# Altium PCB UAV_Controller.PcbDoc
Units mil, origin at the board's own origin, x right, y up, seen from the top; angles counter-clockwise.
Board outline 2051.03 x 2705.03 mil, 2 copper layers (Top Layer, Bottom Layer); 86 components, 60 nets, 333 pads, 102 vias.
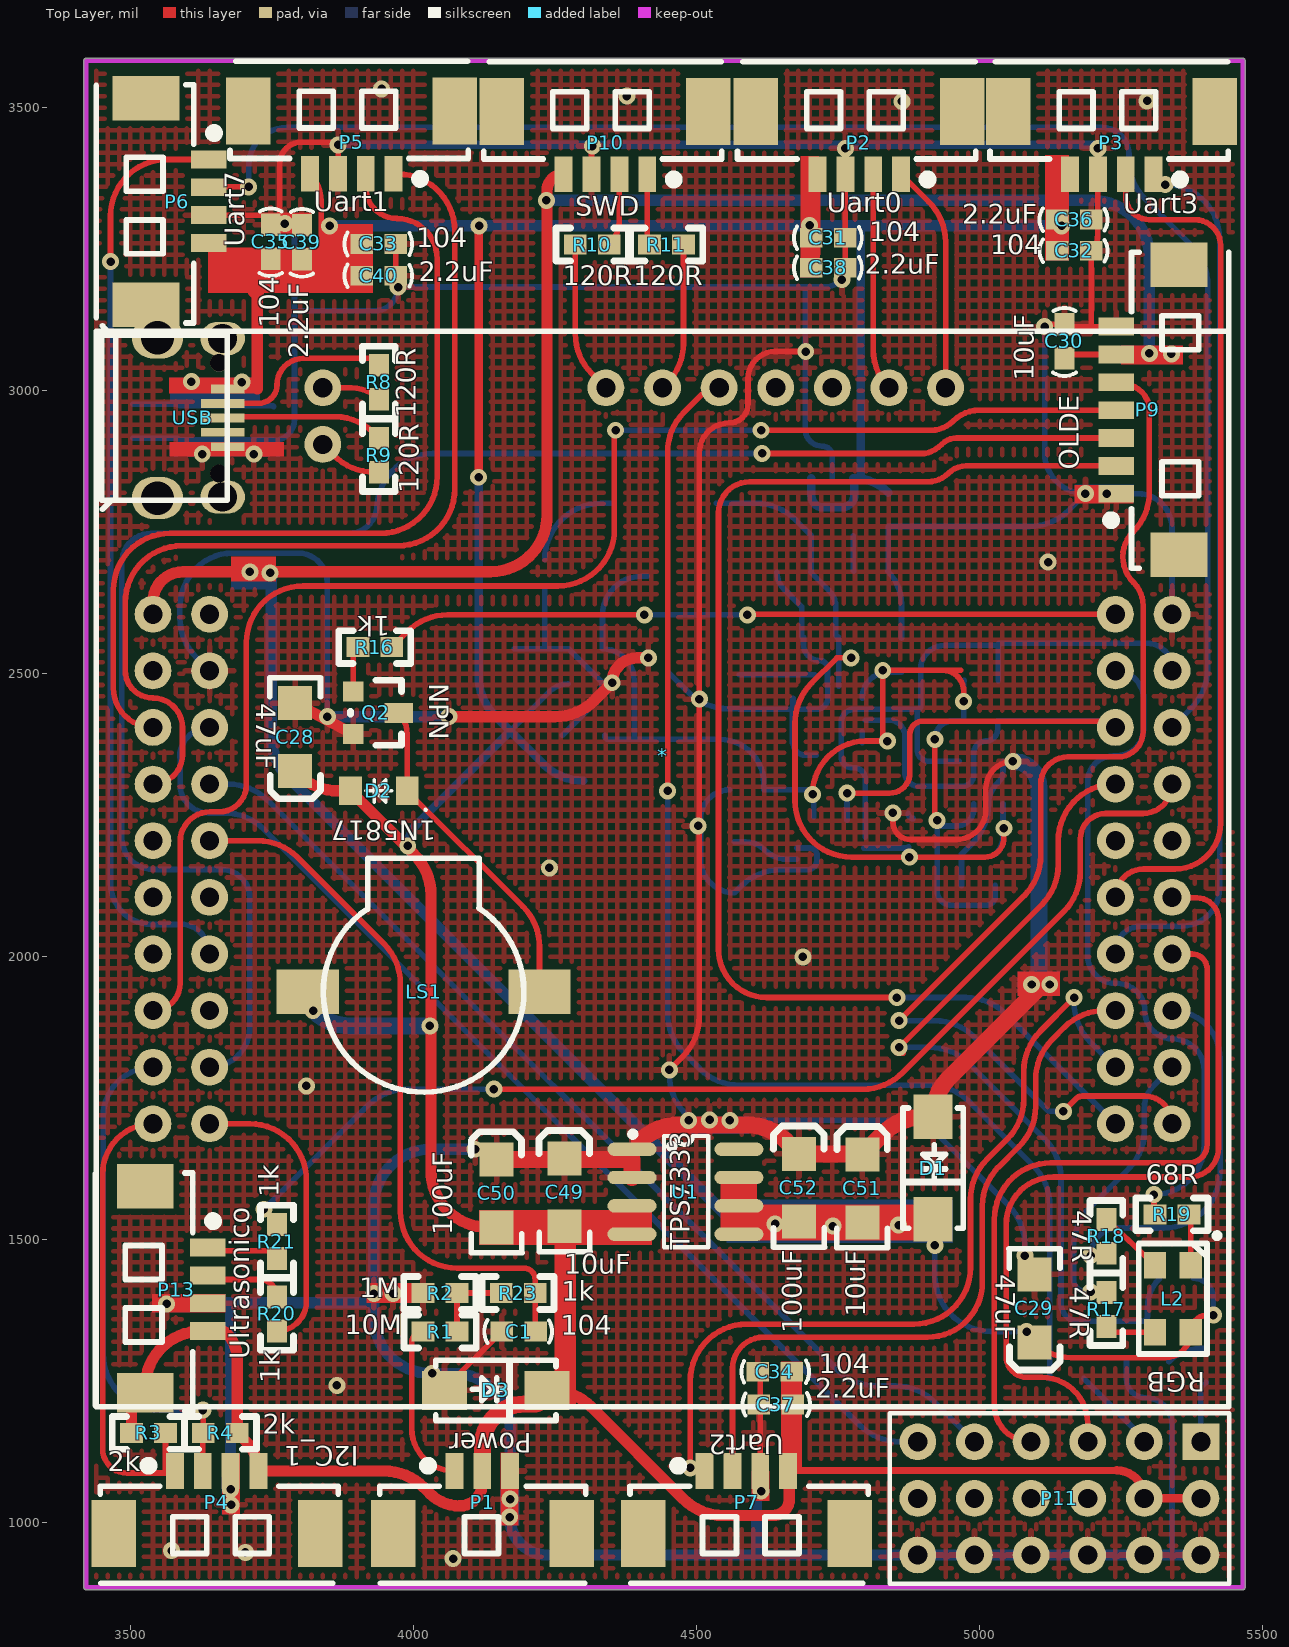
[diagram p0: Top Layer view]
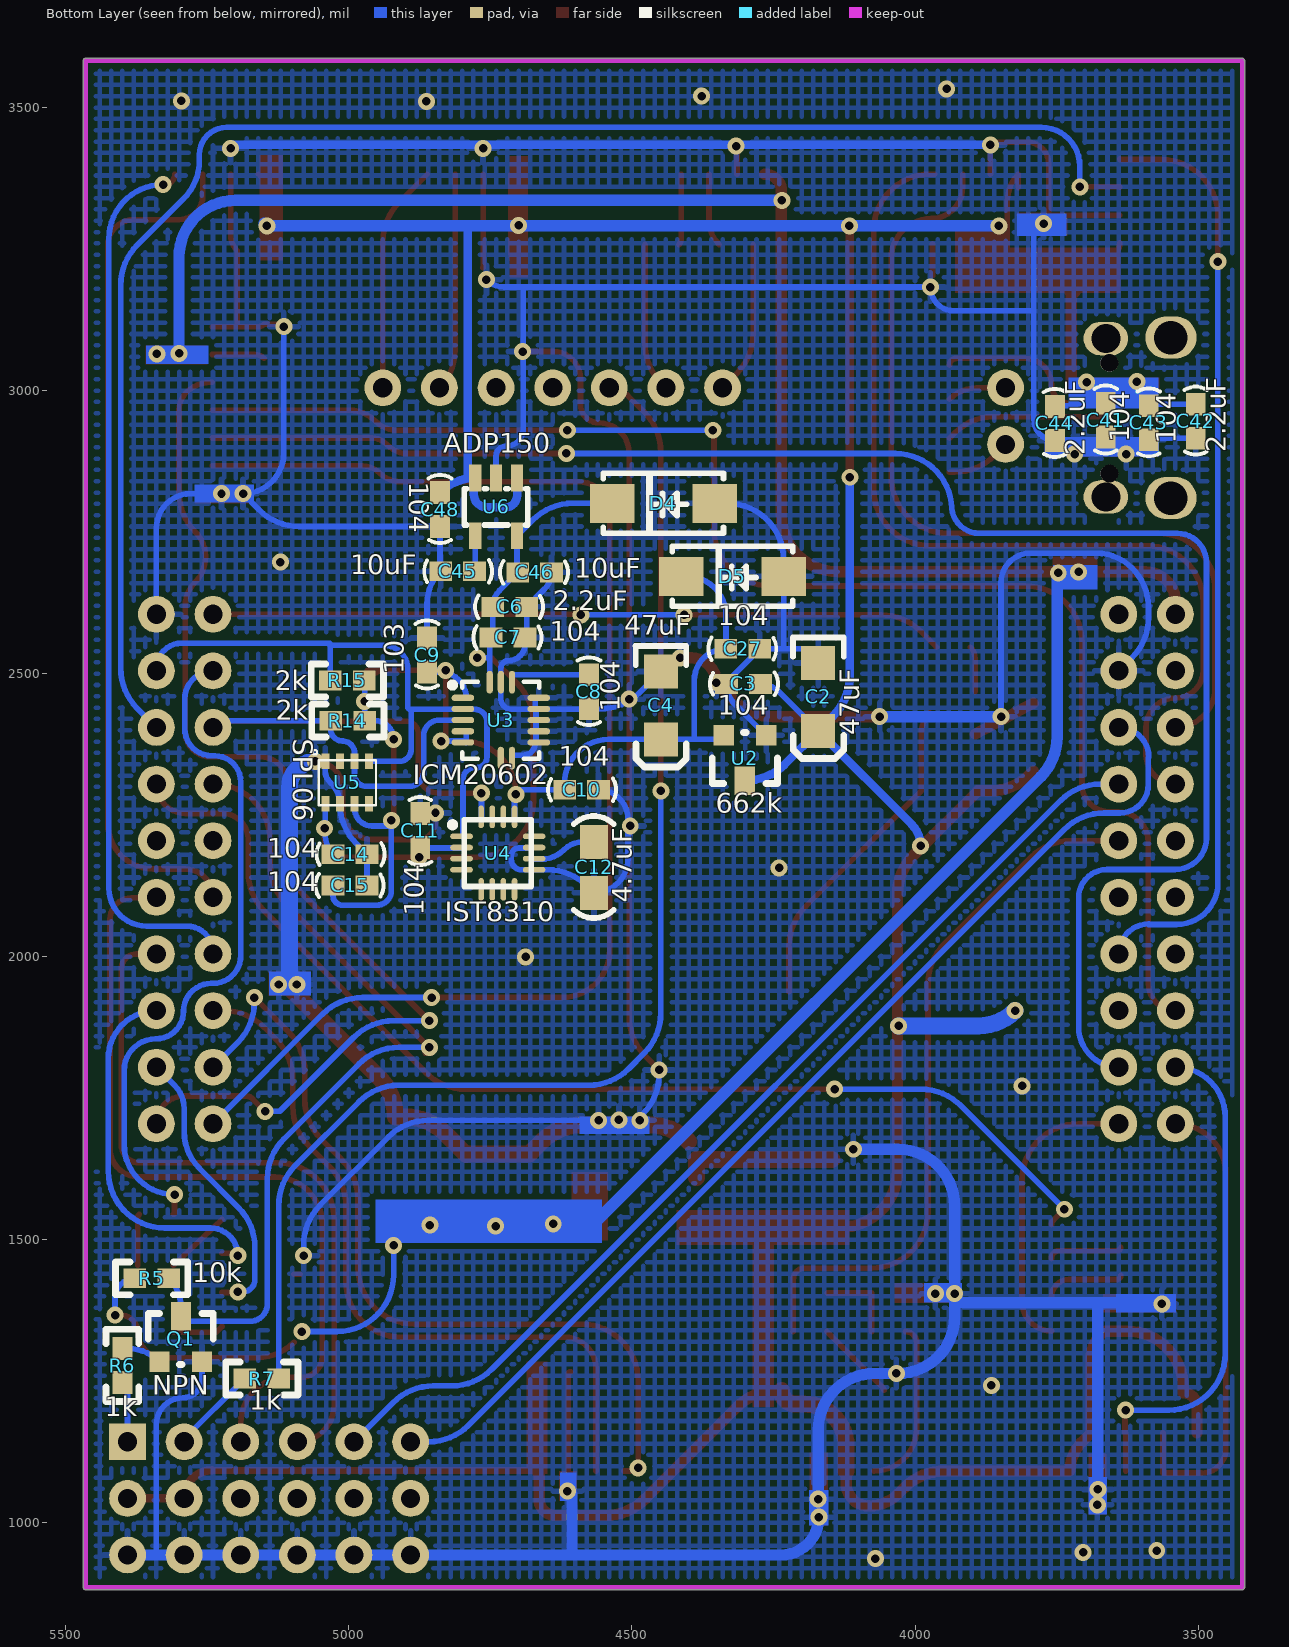
[diagram p1: Bottom Layer view, seen from below]

## Layer stack, top to bottom
Top Solder: solder mask 0.4, Solder Resist, Dk 3.5
Top Layer: signal copper 1.4
Dielectric 1: dielectric 12.6, FR-4, Dk 4.8
Bottom Layer: signal copper 1.4
Bottom Solder: solder mask 0.4, Solder Resist, Dk 3.5

## Board outline
3417.99,886 ccw(c3422,886) 3422,881.99 5465,881.99 ccw(c5465,886) 5469.02,886 5469.02,3583 ccw(c5465,3583) 5465,3587.01 3422,3587.01 ccw(c3422,3583) 3417.99,3583

## Design rules (kind name [scope] priority, off if disabled: settings)
Clearance [All] p1: gap=8
PolygonConnect [All] p1: connectstyle=Relief reliefconductorwidth=10 reliefentries=4 polygonreliefangle="90 Angle" airgapwidth=10
RoutingVias [All] p1: holewidth=28 width=50 viastyle="Through Hole" minholewidth=28 minwidth=50 maxholewidth=28 maxwidth=50
SolderMaskExpansion [All] p1: expansion=4
Width [All] p1: maxlimit=100 minlimit=10 preferedwidth=10 minimp=50.000000 maximp=50.000000 favimp=50.000000
30 further rules are at their usual default settings.

## Components (designator, comment, footprint, x,y, rotation, side; value= is the part's Value field where it differs from the comment)
* "TM4C" TM4C底板 4440,2605 r0 top locked
C1 "104" 0603C 4119,1056 r180 top
C2 "47uF" TAJ-A 4171,2399 r270 bottom
C3 "104" 0603C 4236,2764 r180 bottom
C4 "47uF" TAJ-A 4449,2384 r270 bottom
C6 "2.2uF" 0603C 4783,2336 r0 bottom
C7 "104" 0603C 4786,2282 r0 bottom
C8 "104" 0603C 4858,2535 r90 bottom
C9 "103" 0603C 5144,2600 r90 bottom
C10 "104" 0603C 4522,2577 r180 bottom
C11 "104" 0603C 4592,2156 r270 bottom
C12 "4.7uF" 0805C 4567,2118 r90 bottom
C14 "104" 0603C 4931,2463 r180 bottom
C15 "104" 0603C 5065,1844 r0 bottom
C27 "104" 0603C 4371,2262 r0 bottom
C28 "47uF" TAJ-A 3791,2328 r270 top
C29 "47uF" TAJ-A 5097,1319 r270 top
C30 "10uF" 0603C 5432,3020 r270 top
C31 "104" 0603C 4666,2988 r180 top
C32 "104" 0603C 5100,2965 r180 top
C33 "104" 0603C 3872,2977 r180 top
C34 "104" 0603C 4705,1549 r0 top
C35 "104" 0603C 4030,3196 r270 top
C36 "2.2uF" 0603C 5100,3020 r180 top
C37 "2.2uF" 0603C 4707,1491 r0 top
C38 "2.2uF" 0603C 4666,2935 r180 top
C39 "2.2uF" 0603C 4085,3195 r270 top
C40 "2.2uF" 0603C 3872,2921 r180 top
C41 "104" 0603C 3945,3015 r90 bottom
C42 "2.2uF" 0603C 3786,3013 r90 bottom
C43 "104" 0603C 3869,3010 r90 bottom
C44 "2.2uF" 0603C 4035,3009 r90 bottom
C45 "10uF" 0603C 4741,2963 r180 bottom
C46 "10uF" 0603C 4739,2397 r0 bottom
C48 "104" 0603C 5121,2857 r90 bottom
C49 "10uF" TAJ-A 4267,1644 r90 top
C50 "100uF" TAJ-A 4147,1642 r90 top
C51 "10uF" TAJ-A 4793,1651 r90 top
C52 "100uF" TAJ-A 4681,1652 r90 top
D1 "B340a" SMA/DO-214AC 4917,1710.1 r270 top
D2 "1N5817" 0805LED(BLUE) 3984,2291 r180 top
D3 "B340a" SMA/DO-214AC 4061.9,1233 r0 top
D4 "B340a" SMA/DO-214AC 4361,2802 r0 bottom
D5 "B340a" SMA/DO-214AC 4238.9,2673 r0 bottom
L2 "RGB" RGB-3528 5311.18,1338.03 r90 top
LS1 "Buzzer" MLT-9032 4018,1938 r0 top
P1 "Power" MX1.25WS-3P 4122.21,981 r0 top
P2 "Uart0" MX1.25WS-4P#1 4787,3493.02 r180 top
P3 "Uart3" MX1.25WS-4P#1 5233,3493.02 r180 top
P4 "I2C_1" MX1.25WS-4P#1 3653,981 r0 top
P5 "Uart1" MX1.25WS-4P#1 3890.64,3494.02 r180 top
P6 "Uart7" MX1.25WS-4P#1 3527.72,3334 r270 top
P7 "Uart2" MX1.25WS-4P#1 4588.64,981 r0 top
P9 "OLDE" MX1.25WS-7P 5352.28,2966 r90 top
P10 "SWD" MX1.25WS-4P#1 4338.64,3493.02 r180 top
P11 "Header 6x3" "Hearder 6x3" 5391,1143.28 r270 top
P13 "Ultrasonico" MX1.25WS-4P#2 3526,1412 r270 top
Q1 "NPN" SOT-23 5332,1290 r180 bottom
Q2 "NPN" SOT-23 3899,2466 r270 top
R1 "10M" 0603R 4019,1339 r0 top
R2 "1M" 0603R 4075,1405 r180 top
R3 "2k" 0603R 3560,1158 r180 top
R4 "2k" 0603R 3631,1160 r0 top
R5 "10k" 0603R 5320,1431 r0 bottom
R6 "1k" 0603R 5401,1250 r90 bottom
R7 "1k" 0603R 5182,1256 r180 bottom
R8 "120R" 0603R 3940,3043 r270 top
R9 "120R" 0603R 3940,2914 r270 top
R10 "120R" 0603R 4344,3257 r180 top
R11 "120R" 0603R 4419,3259 r0 top
R14 "2k" 0603R 5030,2418 r180 bottom
R15 "2k" 0603R 5031,2489 r180 bottom
R16 "1k" 0603R 3960,2546 r180 top
R17 "47R" 0603R 5223,1349 r90 top
R18 "47R" 0603R 5225,1534 r270 top
R19 "68R" 0603R 5368,1544 r180 top
R20 "1k" 0603R 3760,1397 r270 top
R21 "1k" 0603R 3758,1469 r90 top
R23 "1k" 0603R 4213,1405 r180 top
U1 "TPS7333" SOP-8 4387.51,1659 r0 top
U2 "662k" SOT-23 4265.52,2385.84 r0 bottom
U3 "ICM20602" LGA-16 4733.54,2418.59 r180 bottom
U4 "IST8310" LGA16 4734,2187 r180 bottom
U5 "SPL06" LGA8 5007,2306 r90 bottom
U6 "ADP150" SOT-23-5 4741,2798.61 r0 bottom
USB "micro-USB" Micro-USB(牛角) 3664.59,3092.5 r270 top locked

## Footprints (in the part's own frame and the unit in brackets; to place one, negate y for a bottom-side part, rotate by r counter-clockwise, add the part's x,y. Pads: shape width x height; smd on the part's side, far side on the other; paste and mask are expansions set on the pad)
0603C [mil]
  rect 40x35 smd: 1(-97,-282) 2(-37,-282)
  silkscreen extent -126,-302 -6,-262, body extent -117,-299 -14,-260, height 35
0603R [mil]
  rect 40x35 smd: 1(-2,-1) 2(58,-1)
  silkscreen extent -35,-30 92,28, body extent -5,-17 61,15, height 22
0805C [mil]
  rect 60x50 smd: 1(-5,0) 2(85,0)
  silkscreen extent -50,-35 131,36, body extent -16,-26 102,29, height 37
0805LED(BLUE) [mil]
  rect 40x50 smd: 1(-4.95,-2) 2(95.05,-2)
  silkscreen extent -39,-22 68,33, body extent 3,-29 85,25, height 31
"Hearder 6x3" [mil]
  rect 65x65 hole 34: 1(0,0)
  round 65 hole 34: 2(100,0) 3(0,-100) 4(100,-100) 5(0,-200) 6(100,-200) 7(0,-300) 8(100,-300) 9(0,-400) 10(100,-400) 11(0,-500) 12(100,-500) 13(200,0) 14(200,-100) 15(200,-200) 16(200,-300) 17(200,-400) 18(200,-500)
  silkscreen extent -50,-550 251,50, body extent -48,-554 251,48, height 338
LGA8 [mil]
  rect 27.56x13.8 smd: 1(39.31,34.55) 2(39.31,8.94) 3(39.31,-17.06) 4(39.31,-42.65) 5(-35.69,-42.65) 6(-35.69,-17.06) 7(-35.69,8.94) 8(-35.69,34.55)
  silkscreen extent -38,-55 59,57
LGA16 [mil]
  oval 40x9.84 smd: 1(-66.99,25.66) 2(-66.99,5.97) 3(-66.99,-13.71) 4(-66.99,-33.4) 9(61.12,-33.4) 10(61.12,-13.71) 11(61.12,5.97) 12(61.12,25.66)
  oval 9.84x40 smd: 5(-32.47,-67.93) 6(-12.78,-67.93) 7(6.9,-67.93) 8(26.59,-67.93) 13(26.59,60.18) 14(6.9,60.18) 15(-12.78,60.18) 16(-32.47,60.18)
  silkscreen extent -88,-63 56,55
LGA-16 [mil]
  oval 40x11.02 smd: 1(-65.02,38.76) 2(-65.02,19.07) 3(-65.02,-0.61) 4(-65.02,-20.3) 5(-65.02,-39.98) 9(69.02,-39.98) 10(69.02,-20.3) 11(69.02,-0.61) 12(69.02,19.07) 13(69.02,38.76)
  oval 11.02x40 smd: 7(2,-67.63) 8(21.69,-67.63) 14(21.69,66.41) 15(2,66.41) 16(-17.68,66.41)
  silkscreen extent -89,-69 70,67
Micro-USB(牛角) [mm]
  round 0.8 hole 0.8: 0(1.1,-0.2) 0(6.075,-0.2)
  rect 0.4x1.5 smd: 1(2.269,0.184) 5(4.869,0.184)
  rect 0.4x1.95 smd: 2(2.919,-0.04) 3(3.569,-0.04) 4(4.219,-0.04)
  oval 1.5x2 hole 1.3: 6(7.119,-0.04) 7(0.019,-0.04)
  oval 1.9x2.3 hole 1.5: 8(-0.031,-2.961) 9(7.169,-2.961)
  silkscreen extent -0.55,-5.47 7.68,0.16, body extent -0.5,-5.51 7.7,-0.08, height 0.23
MLT-9032 [mm]
  rect 2.8x2 smd: 1(-5.2,0) 2(5.2,0)
  silkscreen extent -4.5,-4.5 4.5,6, body extent -6.83,-5.94 6.86,7.75, height 7.59
MX1.25WS-3P [mm]
  rect 2x3 smd: 0(-4.007,0) 0(4.007,0)
  rect 0.8x1.6 smd: 1(-1.264,2.811) 2(-0.014,2.811) 3(1.236,2.811)
  silkscreen extent -4.61,-2.23 4.62,3.25, body extent -4.4,-2.11 4.5,3.08, height 3.4
MX1.25WS-4P#1 [mm]
  rect 2x3 smd: 0(-4.632,0) 0(4.632,0)
  rect 0.8x1.6 smd: 1(-1.889,2.811) 2(-0.639,2.811) 3(0.611,2.811) 4(1.861,2.811)
  silkscreen extent -5.23,-2.23 5.45,3.25, body extent -5.15,-1.96 5,3.23, height 3.4
MX1.25WS-4P#2 [mm]
  rect 2x2.54 smd: 0(-4.632,0)
  rect 1.778x2.54 smd: 0(4.632,0)
  rect 0.8x1.6 smd: 1(-1.889,2.811) 2(-0.639,2.811) 3(0.611,2.811) 4(1.861,2.811)
  silkscreen extent -5.23,-2.23 5.45,3.25, body extent -5.15,-1.96 5,3.23, height 3.4
MX1.25WS-7P [mm]
  rect 2x2.54 smd: 0(-6.507,0) 0(6.507,0)
  rect 0.8x1.6 smd: 1(-3.764,2.811) 2(-2.514,2.811) 3(-1.264,2.811) 4(-0.014,2.811) 5(1.236,2.811) 6(2.486,2.811) 7(3.736,2.811)
  silkscreen extent -7.11,-2.23 7.08,3.25, body extent -6.95,-2.14 6.95,3.05, height 3.4
RGB-3528 [mm]
  rect 1.2x1 smd: 1(-0.029,0.03) 2(-0.029,-1.57) 3(2.971,0.03) 4(2.971,-1.57)
  silkscreen extent -1.01,-2.87 4.42,0.76, body extent -0.32,-2.2 3.18,0.6, height 1.9
SMA/DO-214AC [mm]
  rect 2x1.75 smd: 1(-0.178,0.025) 2(4.422,0.025)
  silkscreen extent -0.58,-1.32 4.82,1.38, body extent -0.38,-1.32 4.73,1.35, height 2.12
SOP-8 [mm]
  oval 2.2x0.6 smd: 1(-0.038,0.025) 2(-0.038,-1.245) 3(-0.038,-2.515) 4(-0.038,-3.785) 5(4.762,-3.785) 6(4.762,-2.515) 7(4.762,-1.245) 8(4.762,0.025)
  silkscreen extent -0.12,-4.38 3.37,0.82, body extent -0.62,-4.33 5.38,0.58, height 1.7
SOT-23 [mil]
  rect 36x36 smd: 1(-2.52,-5.16) 2(72.48,-5.16)
  rect 36x50 smd: 3(35.48,74.84)
  silkscreen extent -23,-10 92,80, body extent -22,-18 92,92, height 47
SOT-23-5 [mil]
  rect 21.7x47.2 smd: 1(-38,-46.99) 2(-1,-46.99) 3(36,-46.99) 4(36,55.01) 5(-38,55.01)
  silkscreen extent -57,-28 55,36
TAJ-A [mil]
  rect 60x60 smd: 1(0,0) 2(-120,0)
  silkscreen extent -165,-45 49,45, body extent -125,-31 9,32, height 65
TM4C底板 [mil]
  round 65 hole 34: 0(-800,0) 0(200,400) 0(300,400) 1(900,-600) 4(900,-500) 5(800,-900) 6(-800,-800) 7(-800,-700) 8(-800,-600) 9(900,-200) 10(800,-800) 13(800,-600) 14(800,-500) 15(800,-400) 16(800,-300) 17(400,400) 18(500,400) 19(900,-900) 20(900,-800) 21(900,-700) 22(-900,-700) 23(-900,-800) 24(-900,-900) 28(900,-300) 29(-800,-900) 30(800,0) 31(800,-100) 38(900,-400) 43(-600,400) 44(-600,300) 45(-900,-200) 46(-900,-300) 47(900,-100) 48(800,-200) 49(100,400) 51(0,400) 52(-100,400) 53(800,-700) 57(-900,-100) 58(-900,-600) 59(-900,-400) 60(-900,-500) 61(-800,-200) 62(-800,-300) 63(-800,-400) 64(-800,-500) 65(-900,0) 66(-800,-100) 66(900,0)
  silkscreen extent -1000,-1400 1000,500, body extent -952,-953 951,450, height 336

## Part data
C1 C3 C6 C7 C8 C9 C10 C11 C12 C14 C15 C27 C30 C31 C32 C33 C34 C35 C36 C37 C38 C39 C40 C41 C42 C43 C44 C45 C46 C48: library part Cap1, "无极贴片电容"
C2 C4 C28 C29 C49 C50 C51 C52: library part "Pol Cap", "极性贴片电容"
D1 D3 D4 D5: library part Diode, "二极管"
D2: library part LED, "发光二极管"
LS1: "蜂鸣器"
P1: library part MX1.25-3P
P2 P3 P4 P5 P6 P7 P10 P13: library part MX1.25-4P
P9: library part MX1.25-7P
Q1 Q2: "NPN三极管"
R1 R2 R3 R4 R5 R6 R7 R8 R9 R10 R11 R14 R15 R16 R17 R18 R19 R20 R21 R23: library part Res, "电阻"
U1: "3.3V电源芯片"
U2: library part XC6206
U3: library part ICM-20602
USB: "USB接口"

## Via types
v1: diameter 30, hole 15, Top Layer to Bottom Layer, 102 vias

## Nets (pads, with @x,y where several pads share a name; then routed paths per layer and width w, separated by ;. In a path a pad name is that pad's centre, name@x,y a point inside that pad or via, vN(x,y) a via of type N, cw(c..) or ccw(c..) an arc to the next point about the centre after c; other vN are vias at no path point)
3.3V_1: *.65 C29.1 C30.2 C51.2 C52.2 D1.2 L2.2 P9.6 P10.4 R5.2 U1.5 U1.6 U1.7 | length 5031.7
  Top Layer w10: C29.1 ccw(c5162.18,1384.18) 5162.18,1292 5328.1,1292 ccw(c5328.1,1336.89) L2.2 cw(c5403.1,1336.89) 5403.1,1367 v1(5413,1367) ; C30.2 cw(c5166.61,3040.39) 5166.61,3063.88 P9.6
  Top Layer w20: *.65 3540,2627 cw(c3593,2627) 3593,2680 v1(3711,2680) 4136,2680 ccw(c4136,2780) 4236,2780 4236,3353 cw(c4265.36,3353) P10.4
  Bottom Layer w10: v1(4921,1490) 4921,1438 ccw(c5021,1438) 5021,1338 v1(5083,1338) ; R5.2 cw(c5378,1397) 5413,1397 v1(5413,1367)
  Bottom Layer w20: v1@3749,2678 3749,2388.42 ccw(c3849,2388.42) 3778.29,2317.71 4572,1524 ; v1(4235,3336) 5200,3336 cw(c5200,3236) 5300,3236 v1(5300,3066) v1@5300,3057
  other v1: 4741,1524 4857,1526 4639,1528 3747,2678 5339,3065
3.3V_2: C6.2 C7.2 C11.2 C14.1 C46.2 D4.2 U3.16 U4.2 U5.8 U6.5 | length 1431.7
  Top Layer w10: v1(4773,2528) 4748,2528 4703.29,2483.29 ccw(c4774,2412.58) 4674,2412.58 4674,2276 ccw(c4774,2276) 4774,2176 v1(4876,2176) 5009,2176 ccw(c5009,2210) 5043,2210 v1(5043,2227)
  Bottom Layer w10: D4.2 4604.18,2801 cw(c4604.18,2701) 4674.89,2771.71 U6.5 4703,2681.41 cw(c4699.59,2681.41) C46.2 4733.98,2647.02 cw(c4704.96,2618) C6.2 4746,2571.24 ccw(c4756.24,2571.24) C7.2 ; U3.16@4751.22,2478.25 U3.16 4751.22,2528 ; C7.2@4751.22,2564 4751.22,2528 ; v1(4773,2528) 4751.22,2528 ; U4.2@4795.29,2191.97 4872.97,2191.97 ccw(c4872.97,2193) C11.2 cw(c4875,2193) C11.2@4875,2194 ; C14.1 ccw(c4995.3,2213.7) 5041.55,2213.7 U5.8
3.3V_3: C4.1 C9.1 C10.1 C15.2 C27.2 D5.2 R14.2 R15.2 U2.2 U3.1 U3.4 U3.5 U4.13 U5.6 | length 2219.8
  Top Layer w10: v1@4705,2289 v1(4705,2287) cw(c4799,2287) 4799,2381 v1(4837,2381) cw(c4837,2389) 4829,2389 v1(4829,2506) 4935,2506 ; v1@4921,2233 v1(4921,2384) ; 4967,2506 4935,2506 ; v1(4972,2451) 4972,2469 ccw(c4935,2469) 4935,2506
  Bottom Layer w10: U2.2 ccw(c4345,2391) 4345,2384 4390,2384 ; D5.2 4403,2672 ccw(c4403,2603) 4334,2603 C27.2 cw(c4334,2488) 4390,2488 4390,2384 ; U4.13 4707.41,2284.59 ccw(c4705,2284.59) v1(4705,2287) ccw(c4697,2287) 4697,2295 C10.1 4619,2306 ccw(c4541,2306) 4541,2384 C4.1 4390,2384 ; U3.5@4792.56,2377.86 U3.5@4792.56,2381 ; U3.4@4792.56,2397.54 U3.5@4792.56,2381 ; U3.1@4792.56,2456.6 cw(c4838.95,2456.6) 4838.95,2503 C9.1 cw(c4865,2503) 4865,2506 v1(4829,2506) ; v1(4837,2381) U3.5@4792.56,2381 ; v1(4921,2384) cw(c4954,2384) 4954,2417 R14.2 v1(4972,2451) 4972,2487 cw(c4973,2487) R15.2 ; U5.6 4989.94,2261.95 cw(c4959,2261.95) 4959,2231 4927,2231 cw(c4927,2233) 4925,2233 4925,2117 ccw(c4951,2117) 4951,2091 5011,2091 ccw(c5011,2108) 5028,2108 C15.2
  other v1: 4925,2241
5V: C2.1 C3.2 C28.1 C31.2 C32.2 C33.2 C34.2 C35.2 C36.2 C37.2 C38.2 C39.2 C40.2 C41.2 C42.2 C43.2 C44.2 C48.2 C49.2 C50.2 D2.2 D3.2 LS1.1 P1.2 P2.4 P3.4 P4.4 P5.4 P6.4 P7.4 P11.2 P11.4 P13.0@3526,1229.64 P13.4 R3.2 R4.2 U1.3 U1.4 U2.3 U6.1 U6.3 USB.1 | length 8707.6
  Top Layer w10: P6.4 ccw(c3667.09,3260.72) 3667.09,3232 C35.2@3747,3232 ; C35.2@3746.29,3231.29 C35.2@3747,3232 ; C35.2 C35.2@3747,3232 ; P5.4@3817.36,3358.92 3817.36,3382.36 cw(c3769.95,3334.95) 3837,3334.95 3837,3232 ; C40.2 3909,3232 ; C33.2 3909,3232 ; D3.2@4225.77,1229.77 cw(c4236,1219.51) D3.2 ; P7.4@4666,1087.57 ccw(c4661.91,1087.57) P7.4 4661.91,1092.65 4661.91,1260.91 cw(c4668,1260.91) C34.2 ; C38.2 ccw(c4677.11,3242.89) 4713.72,3242.89 P2.4 ; C32.2 C36.2 5137,3327.5 cw(c5214.59,3327.5) P3.4 ; C35.2@3747,3232 C39.2 3837,3232 ; 3837,3232 3909,3232
  Top Layer w13: P7.4@4661.91,1092.65 5242.63,1092.65
  Top Layer w15: v1(4115,2847) 4115,3288.59 cw(c4118.41,3288.59) v1(4116,3291) ; 5242.63,1092.65 cw(c5242.63,1044.28) 5291,1044.28 P11.4 P11.2
  Top Layer w20: R3.2 3502,1205.64 cw(c3526,1205.64) 3526,1229.64 3526,1238.72 cw(c3626,1238.72) 3626,1338.72 P13.4 3661.01,1338.72 cw(c3661.01,1326.01) 3670,1335 cw(c3624.13,1289.13) 3689,1289.13 R4.2 3705.01,1142.99 cw(c3653.68,1091.65) P4.4 3947.93,1091.65 cw(c3947.93,991.65) 4018.64,1062.36 4029.08,1051.92 ccw(c4082,1104.84) 4082,1030 ccw(c4082,1069.67) 4121.67,1069.67 P1.2 ; 3724,3003 3724,3176.93 ; C28.1 3796.71,2322.29 ccw(c3867.42,2393) 3867.42,2293 D2.2 4001.71,2180.24 cw(c3931,2109.53) 4031,2109.53 4031,1622.42 ccw(c4131,1622.42) 4060.29,1551.71 4060.71,1551.29 ccw(c4131.42,1622) 4131.42,1522 C50.2 ; D3.2 4243.58,1234 cw(c4243.58,1134) 4314.29,1204.71 4476.71,1042.29 ccw(c4547.42,1113) 4547.42,1013 4635,1013 ccw(c4635,1042) 4664,1042 4664,1085.57 cw(c4666,1085.57) P7.4@4666,1087.57
  Top Layer w30: 3722,3176.93 cw(c3739.07,3176.93) 3727,3189 ; P1.2 4121.67,1135.67 cw(c4196,1135.67) 4196,1210 4212,1210 ccw(c4212,1234) D3.2
  Bottom Layer w10: C42.2 3579.76,2976 cw(c3579.76,2965.76) C43.2 3750.59,2973 cw(c3750.59,2969.59) C44.2 ; C2.1 4240.56,2468.57 cw(c4273,2436.13) C3.2 ; U2.3@4300.42,2311 U2.3
  Bottom Layer w15: v1(3990,2196) cw(c4043.11,2196) 4005.55,2233.55 C2.1 ; v1(4115,2847) 4115,2496.42 ccw(c4215,2496.42) 4144.29,2425.71 C2.1 ; U2.3@4300.42,2311 cw(c4300.42,2411) 4229.71,2340.29 C2.1 ; U6.1 4703,2814 ccw(c4723,2814) 4723,2794 4757,2794 ccw(c4757,2816) 4779,2816 4779,2843.6 ccw(c4777,2843.6) U6.3@4777.2,2845.59 ; 4787,3291 cw(c4787,3290) 4788,3290 ; 4790,2848 4790,3290 ; C48.2 ccw(c4777.2,2758.2) U6.3@4777.2,2845.6 ; U6.3@4777.2,2845.59 ccw(c4777,2843.6) U6.3 U6.3@4777.2,2845.6
  Bottom Layer w20: v1(3852,3291) v1(4116,3291) 4787,3291 v1(5145,3291) ccw(c5145,3296) v1@5150,3296
  Bottom Layer w30: v1(3823,1905) ccw(c3888.18,1970.18) 3888.18,1878 v1(4029,1878)
  other v1: 3697,3015 3608,3016 4700,3292
BAT_ADC: *.63 C1.1 R23.1 | length 1258.9
  Top Layer w10: *.63 3724.58,2205 cw(c3724.58,2105) 3795.29,2175.71 3947.71,2023.29 cw(c3877,1952.58) 3977,1952.58 3977,1550 ccw(c4077,1550) 4077,1450 4195,1450 cw(c4195,1430) 4215,1430 R23.1 4215,1339 ccw(c4216,1339) C1.1
BUZZER: *.30 R16.1 | length 1297.3
  Top Layer w10: R16.1 3989.71,2574.71 cw(c4060.42,2504) 4060.42,2604 v1(4408,2604) ; v1@4590,2605 *.30
  Bottom Layer w10: v1(4408,2604) v1(4590,2604)
CURRENT_ADC: *.64
GND: *.66 C1.2 C2.2 C3.1 C4.2 C6.1 C7.1 C8.1 C9.2 C10.2 C11.1 C12.1 C14.2 C15.1 C27.1 C28.2 C29.2 C30.1 C31.1 C32.1 C33.1 C34.1 C35.1 C36.1 C37.1 C38.1 C39.1 C40.1 C41.1 C42.1 C43.1 C44.1 C45.1 C46.1 C48.1 C49.1 C50.1 C51.1 C52.1 D1.1 D3.1 D4.1 D5.1 P1.3 P2.3 P3.3 P4.3 P5.3 P6.3 P7.3 P9.1 P9.7 P10.3 P11.13 P11.14 P11.15 P11.16 P11.17 P11.18 P13.3 Q1.2 Q2.2 R2.2 U1.1 U1.2 U2.1 U3.8 U3.9 U3.10 U3.11 U3.12 U3.13 U3.15 U4.9 U4.11 U5.1 U5.7 U6.2 USB.5 | length 16900.3
  Top Layer w10: P6.3 3766,3309.94 ; C39.1@3816,3309.94 3766,3309.94 ; P5.3@3866.57,3390.43 P5.3 3866.57,3382.36 ccw(c3865.55,3383.39) 3867,3383.39 v1(3867,3434) ccw(c3854.93,3421.93) 3854.93,3439 3802,3439 ccw(c3802,3401) 3764,3401 3764,3311.94 ccw(c3766,3311.94) 3766,3309.94 ; C40.1 C33.1 ; D3.1 cw(c4061.89,1234) 4056.95,1238.95 C1.2 ; C50.1 cw(c4151,1642) C50.1@4151,1646 ; P10.3 4314.57,3428.56 cw(c4319.44,3428.56) v1(4316,3432) ; v1(4452,1800) 4475.71,1823.71 ccw(c4405,1894.42) 4505,1894.42 v1(4505,2455) 4505,2890 cw(c4558,2890) 4558,2943 ccw(c4558,2976) 4591,2976 4591,3021 cw(c4639,3021) 4639,3069 v1(4693,3069) ; C34.1 cw(c4608,1262.3) 4612.7,1262.3 P7.3 ; P2.3 4762.94,3217.06 C38.1 ; v1(4847,2254) 4847,2238 ccw(c4878,2238) 4878,2207 4959,2207 ccw(c4959,2259) 5011,2259 5011,2297 cw(c5059,2297) v1(5059,2345) ; C29.2@5086,1439 C29.2 ; v1(5115,3113) cw(c5119,3113) 5119,3117 C30.1 ccw(c5159.43,3126.43) 5159.43,3113.09 5199,3113.09 ; P3.3 5208.94,3275.82 cw(c5168.18,3275.82) C32.1 5197,3115.09 ccw(c5199,3115.09) 5199,3113.09 ; P9.7 5199,3113.09
  Top Layer w20: C28.2 3845.44,2419.16 Q2.2 ; v1(4062.59,2424) 4249.58,2424 ccw(c4249.58,2524) 4320.29,2453.29 v1(4351,2484) cw(c4395,2484) 4395,2528 v1(4415,2528)
  Top Layer w30: C50.1 4386.02,1642 U1.2 ; 4399.73,1673.71 cw(c4470.44,1603) 4470.44,1703 4588.58,1703 cw(c4588.58,1603) 4659.29,1673.71 C52.1 4792,1652 cw(c4792,1651) C51.1 4829.81,1687.81 cw(c4900.52,1617.1) 4900.52,1717.1 D1.1 cw(c5016.74,1717.1) 4946.92,1786.92 v1@5105,1945
  Bottom Layer w10: C42.1 3579.76,2916 cw(c3579.76,2905.76) C43.1 3750.59,2913 cw(c3750.59,2909.59) C44.1 ccw(c3753,2949) 3790,2949 3790,3141 ; *.66@3640,2505 3616.79,2528.21 cw(c3687.5,2598.92) 3587.5,2598.92 3587.5,2616.08 cw(c3687.5,2616.08) 3616.79,2686.79 cw(c3680.07,2623.51) 3680.07,2713 3796,2713 cw(c3796,2661) 3848,2661 v1(3848,2424) ; 3790,3285 3790,3141 ; C2.2@4178,2544 4232,2544 ; D5.1@4231.9,2653 4231.9,2544.1 4232,2544 ; D5.1@4231.9,2701 cw(c4331.9,2701) 4331.9,2801 D4.1 ; U2.1 4318.15,2446.15 ccw(c4282.3,2482) C3.1 ccw(c4325.76,2482) 4330.88,2487.12 C27.1 4232,2544 ; C4.2 4485.71,2467.29 ccw(c4556.42,2538) 4556.42,2438 C8.1 ccw(c4577.09,2438) 4577.09,2436.91 U3.12@4669.52,2436.91 ; v1(4452,1800) 4452,1792.42 ccw(c4552,1792.42) 4481.29,1721.71 v1@4496,1707 ; v1(4559,1711) 4859.58,1711 cw(c4859.58,1611) 4930.29,1681.71 5050.71,1561.29 cw(c4980,1490.58) 5080,1490.58 v1(5080,1472) ; C10.2 ccw(c4559,2243) 4507,2243 4507,2173 ccw(c4567,2173) C12.1 4578.31,2124.31 cw(c4649.02,2053.6) 4649.02,2153.6 U4.9 4695.1,2153.6 ccw(c4695.1,2171.5) 4713,2171.5 4713,2179 ccw(c4700.03,2179) 4700.03,2191.97 U4.11@4677.18,2191.97 ; C46.1 ccw(c4683.04,2679) 4654.02,2649.98 C6.1 4686,2567 ccw(c4689,2567) C7.1 4689,2552 ccw(c4718,2552) 4718,2523 cw(c4718,2509.46) 4731.54,2509.46 U3.15 ; U3.9@4669.52,2377.86 U3.12@4669.52,2436.91 ; U3.9@4670.52,2377.86 ccw(c4692.17,2377.86) 4692.17,2356.21 U3.8@4711.85,2356.21 ; U3.13@4670.52,2456.6 U3.12@4670.52,2436.91 ; U3.15@4732,2478.25 4732,2457 cw(c4711.91,2457) 4711.91,2436.91 U3.12@4670.52,2436.91 ; U6.2 4740,2884 ccw(c4722,2884) 4722,2902 cw(c4722,2932) 4692,2932 4692,3182 ccw(c4691,3182) 4691,3183 ; v1(4757,3196) cw(c4725.62,3227.38) 4725.62,3183 4691,3183 ; C9.2 4862,2623.06 ccw(c4780.06,2623.06) C45.1 ccw(c4835.59,2683.41) 4839,2683.41 C48.1 5087.58,2760 ccw(c5087.58,2860) 5158.29,2789.29 v1(5187,2818) ; C11.1 ccw(c4882.78,2253) C11.1@4882.78,2244.22 ; C15.1 C14.2 4986.69,2199.69 ccw(c4916.08,2270.31) U5.7 cw(c5065.76,2270.31) 5030.54,2305.54 5034,2309 ccw(c5015.78,2327.22) 5041.55,2327.22 U5.1@5041.55,2345 ; v1(5115,3113) 5115,2890 ccw(c5187,2890) v1(5187,2818) ; Q1.2 5259.52,1254.48 ccw(c5293,1254.48) 5293,1221 cw(c5293,1174) 5340,1174 5340,943.28 ; *.66@5340,2605 5340,2757 ccw(c5279,2757) 5279,2818 v1(5225,2818) v1(5187,2818) ; 3790,3141 3931,3141 ccw(c3931,3183) v1(3973,3183) 4691,3183 ; U3.12@4669.52,2436.91 U3.12@4670.52,2436.91
  Bottom Layer w15: v1(3867,3434) v1@4311.17,3434 ; v1(4316,3432) ccw(c4311.17,3427.17) v1@4311.17,3434 ; v1@5209,3434 v1@4311.17,3434
  Bottom Layer w20: 3639,1389 3914,1389 ccw(c3914,1405) v1(3930,1405) ; v1(3677,1059) 3677,1388 ; v1(3848,2424) v1(4062.59,2424) ; v1(4109,1660) 4030,1660 ccw(c4030,1560) 3930,1560 v1(3930,1405) ; v1(4170,1010) ccw(c4236.72,1010) 4236.72,943.28 4606,943.28 ; v1(4171,1042) 4171,1164 ccw(c4071,1164) 4071,1264 v1(4033,1264) 4030,1264 cw(c4030,1364) 3930,1364 v1(3930,1405) ; v1(4614,1056) ccw(c4614,1048) 4606,1048 4606,943.28 ; P11.13 5340,943.28 P11.14 P11.15 P11.16 P11.17 P11.18 4606,943.28
  Bottom Layer w30: v1(5059,2345) cw(c5059,2299) 5105,2299 v1@5105,1952
  other v1: 4070,937 3703,948 3573,951 3678,1032 3865,1243 3564,1387 3964,1405 4486,1711 4523,1712 3811,1772 5092,1951 5124,1951 4688,2000 4240,2157 4503,2231 5121,2697 3627,2888 3718,2888 3773,3295 4763,3428 5209,3428 4863,3511 5296,3512 4377,3520 3944,3533
I2C0SCL: *.47 R15.1 U3.2 U4.1 U5.4 | length 1169.7
  Bottom Layer w10: U4.1@4798.29,2211.66 4798.29,2313.65 ccw(c4777.94,2313.65) 4777.94,2334 4774.94,2334 cw(c4774.94,2352.94) 4756,2352.94 4756,2415 cw(c4777.91,2415) 4777.91,2436.91 4891,2436.91 ; U5.4 4910.69,2345.31 cw(c4910.69,2366) 4890,2366 4890,2435.91 cw(c4891,2435.91) 4891,2436.91 ; R15.1 5033,2549 ; 5034,2554 5295,2554 cw(c5295,2509) 5340,2509 *.47 ; 4891,2436.91 ccw(c4891,2441.91) 4896,2441.91 4896,2508 cw(c4938,2508) 4938,2550 5034,2550 ; 5033,2549 cw(c5034,2549) 5034,2550 ; 5033,2549 cw(c5034,2549) 5034,2550
I2C0SDA: *.48 R14.1 U3.3 U4.16 U5.3 | length 1282
  Top Layer w10: v1(4766,2289) 4841,2289 ccw(c4841,2325) 4877,2325 4877,2393 cw(c4900,2393) 4900,2416 5240,2416 *.48@5241,2415
  Bottom Layer w10: U4.16@4765.77,2241.18 4765.77,2289 v1(4766,2289) ; U3.3 4840.02,2417.98 cw(c4840.02,2390) 4868,2390 4868,2326 ccw(c4893,2326) 4893,2301 4969,2301 ccw(c4969,2321.95) 4989.94,2321.95 U5.3 4989.94,2359.95 cw(c5011,2359.95) 5011,2381 ccw(c5011,2402) 5032,2402 R14.1 *.48@5211.03,2417 ; *.48 ccw(c5211.03,2376.03) *.48@5211.03,2417 ; *.48@5240,2417 *.48@5211.03,2417
I2C1SCL: *.23 P4.2 R4.1 | length 897.9
  Top Layer w10: P4.2 3627.85,1157.85 cw(c3629,1157.85) R4.1 3629,1198 ccw(c3628,1198) v1(3628,1199)
  Bottom Layer w10: *.23 ccw(c3540,1717) 3452,1717 3452,1299 ccw(c3552,1299) 3552,1199 v1(3628,1199)
I2C1SDA: *.24 P4.1 R3.1 | length 831.3
  Top Layer w10: *.24 ccw(c3540,1616) 3451,1616 3451,1131 ccw(c3494,1131) 3494,1088 3562,1088 R3.1
LED_B: *.20 R17.2 | length 507.4
  Top Layer w10: v1(5196,1408) ccw(c5197,1408) 5197,1407 R17.2
  Bottom Layer w10: v1(5196,1408) 5188,1408 cw(c5188,1430) 5166,1430 5166,1486.58 cw(c5266,1486.58) 5195.29,1557.29 5263.71,1625.71 ccw(c5197.83,1691.59) 5291,1691.59 5291,1732 cw(c5348.94,1732) 5307.97,1772.97 *.20
LED_G: *.21 R18.2 | length 676.8
  Top Layer w10: v1(5196,1472) cw(c5200,1472) 5200,1476 R18.2
  Bottom Layer w10: v1(5196,1472) cw(c5245,1472) 5245,1521 5325,1521 ccw(c5325,1621) 5425,1621 5425,1820 ccw(c5340,1820) *.21
LED_R: *.31 R19.2 | length 1218
  Top Layer w10: v1(5308,1580) 5308,1547 ccw(c5310,1547) R19.2
  Bottom Layer w10: *.31 cw(c5240,2455) 5290,2455 5290,2403 cw(c5242,2403) 5242,2355 5237,2355 ccw(c5237,2309) 5191,2309 5191,2002 ccw(c5240,2002) 5240,1953 5243,1953 cw(c5243,1904) 5292,1904 ccw(c5341,1904) 5341,1855 cw(c5341,1799) 5397,1799 5397,1669 cw(c5308,1669) v1(5308,1580)
NetC8_2: C8.2 U3.14 | length 133
  Bottom Layer w10: C8.2 U3.14@4709,2498
NetC12_2: C12.2 U4.10 | length 118.4
  Bottom Layer w10: C12.2 4586.2,2203 cw(c4586.2,2155.2) 4620,2189 ccw(c4660.35,2229.35) 4660.35,2172.29 U4.10@4677.18,2172.29
NetC45_2: C45.2 U6.4 | length 62.9
  Bottom Layer w10: U6.4 4777,2683.41 ccw(c4780.41,2683.41) C45.2
NetD2_1: D2.1 LS1.2 Q2.3 | length 589.1
  Top Layer w10: Q2.3 cw(c3937.36,2394.04) 3988.95,2394.04 D2.1 4193.44,2088.52 cw(c4122.72,2017.81) 4222.72,2017.81 LS1.2
NetL2_1: L2.1 R17.1 | length 90.2
  Top Layer w10: R17.1 5234.11,1336.89 L2.1
NetL2_3: L2.3 R18.1 | length 118.1
  Top Layer w10: R18.1 L2.3
NetL2_4: L2.4 R19.1 | length 91.2
  Top Layer w10: R19.1 5372.99,1542.01 L2.4
NetP1_1: P1.1 R1.1 | length 300.8
  Top Layer w10: R1.1 ccw(c4017,1318) 3997,1318 3997,1167.11 ccw(c4072.46,1167.11) P1.1
NetP10_1: P10.1 R11.1 | length 125.4
  Top Layer w10: P10.1 4413,3267.66 ccw(c4426.66,3267.66) R11.1
NetP10_2: P10.2 R10.1 | length 129.1
  Top Layer w10: R10.1 ccw(c4303.06,3300.94) 4363.79,3300.94 P10.2
NetP13_1: P13.1 R21.1 | length 133.4
  Top Layer w10: P13.1 ccw(c3642.02,1486.36) 3642.02,1481 3745,1481 cw(c3745,1467) R21.1
NetP13_2: P13.2 R20.1 | length 144.1
  Top Layer w10: P13.2 ccw(c3643.8,1437.15) 3643.8,1430 3728,1430 cw(c3728,1399) R20.1
NetQ1_1: Q1.1 R6.2 | length 71.7
  Bottom Layer w10: Q1.1 cw(c5390.43,1228.94) 5390.43,1308 R6.2
NetQ2_1: Q2.1 R16.2 | length 80.7
  Top Layer w10: Q2.1 3893.84,2527.31 cw(c3921.69,2527.31) R16.2
NetR1_2: R1.2 R2.1 R23.2 | length 146
  Top Layer w10: R1.2 R2.1 R23.2
NetR8_1: R8.1 USB.2 | length 328.2
  Top Layer w10: USB.2 3726.59,2977.59 ccw(c3726.59,3010) 3759,3010 cw(c3806,3010) 3806,3057 3927,3057 cw(c3927,3045) R8.1
NetR9_1: R9.1 USB.3 | length 287.6
  Top Layer w10: USB.3@3663,2954 3861.58,2954 cw(c3861.58,2858.83) 3928.88,2926.12 R9.1
OLED_D0: *.19 P9.5 | length 2008.5
  Top Layer w10: v1(4858,1887) 5078.71,2107.71 ccw(c5008,2178.42) 5108,2178.42 5108,2305 cw(c5156,2305) 5156,2353 5244,2353 ccw(c5244,2398) 5289,2398 5289,2620.04 ccw(c5231.16,2620.04) 5272.06,2660.94 cw(c5318.07,2706.95) 5253,2706.95 cw(c5313.47,2706.95) 5270.71,2749.71 ccw(c5200,2820.42) 5300,2820.42 5300,2965.62 ccw(c5255.62,2965.62) 5287,2997 ccw(c5244.34,2954.34) 5244.34,3014.67 P9.5 ; v1(5148,1727) 5170.05,1749.05 cw(c5182,1737.1) 5182,1754 5291,1754 cw(c5291,1705) *.19
  Bottom Layer w10: v1(4858,1887) 4920.58,1887 cw(c4920.58,1787) 4991.29,1857.71 5122,1727 v1(5148,1727)
OLED_D1: *.22 P9.4 | length 2586.5
  Top Layer w10: *.22 ccw(c3540,1953) 3588,1953 3588,2203 cw(c3641,2203) 3641,2256 3657,2256 ccw(c3657,2304) 3705,2304 3705,2555 cw(c3805,2555) 3805,2655 4255,2655 ccw(c4255,2755) 4355,2755 4355,2928 cw(c4357,2928) v1(4357,2930) ; v1(4614,2930) 4914.37,2930 ccw(c4914.37,2984.63) 4953,2946 cw(c4999.97,2899.03) 4999.97,2965.46 P9.4
  Bottom Layer w10: v1(4357,2930) v1(4614,2930) v1@4615,2930
OLED_DC: *.5 P9.2 | length 2350.1
  Top Layer w10: v1(4854,1928) 4624,1928 cw(c4624,2013) 4539,2013 4539,2784 cw(c4594,2784) 4594,2839 4908.79,2839 ccw(c4908.79,2890.21) 4945,2854 cw(c4976.46,2822.54) 4976.46,2867.03 P9.2
  Bottom Layer w10: v1(4854,1928) 4975.58,1928 cw(c4975.58,1828) 5046.29,1898.71 *.5
OLED_RST: *.6 P9.3 | length 2989.4
  Top Layer w10: v1(4616,2889) 4902.13,2889 4902.13,2888.37 ccw(c4889.13,2949.46) 4933.29,2905.29 cw(c4959.73,2878.85) 4959.73,2916.24 P9.3
  Bottom Layer w10: *.6 ccw(c3640,1876) 3711,1876 3711,2104 ccw(c3661,2104) 3661,2154 3541,2154 cw(c3541,2210) 3485,2210 3485,2696 cw(c3537,2696) 3537,2748 3886.2,2748 ccw(c3886.2,2797.14) 3935.04,2791.78 ; 3935.33,2797.14 cw(c3886.2,2797.14) 3935.04,2791.78 ; v1(4616,2889) 4035,2889 ccw(c4035,2789) 3935.04,2791.78
PPM_OUT: P11.3 R7.1 | length 156
  Bottom Layer w10: R7.1 5291,1148 P11.3
PWM1: *.1 P11.7 | length 1268.6
  Top Layer w10: P11.7 cw(c5091,1208.28) 5026,1208.28 5026,1536 cw(c5126,1536) 5126,1636 5370,1636 ccw(c5370,1668) 5402,1668 5402,1978 ccw(c5375,1978) 5375,2005 *.1
PWM2: *.4 P11.5 | length 1437.4
  Top Layer w10: P11.5 5191,1176 ccw(c5110,1176) 5110,1257 5084,1257 cw(c5084,1294) 5047,1294 5047,1527 cw(c5131,1527) 5131,1611 5371,1611 ccw(c5371,1662) 5422,1662 5422,2066 ccw(c5384,2066) 5384,2104 5341,2104 cw(c5341,2105) *.4
PWM7: *.61 P11.11 | length 1914.3
  Bottom Layer w10: 3587,2352 cw(c3640,2352) *.61 ; 3588,2352 3588,2304 ccw(c3638,2304) 3638,2254 3665.58,2254 cw(c3665.58,2154) 3736.29,2224.71 4788.43,1172.57 ccw(c4859.14,1243.28) 4859.14,1143.28 P11.11
PWM8: *.62 P11.9 | length 1819.3
  Bottom Layer w10: *.62 3672.58,2305 cw(c3672.58,2205) 3743.29,2275.71 4747.71,1271.29 ccw(c4818.42,1342) 4818.42,1242 4850.86,1242 cw(c4850.86,1142) 4921.57,1212.71 P11.9
RC_PPM: *.49 R7.2 | length 2299.8
  Top Layer w10: v1(4449,2293) 4449,2891.58 cw(c4549,2891.58) 4478.29,2962.29 4507.56,2991.57 cw(c4540,2959.13) *.49
  Bottom Layer w10: v1(4449,2293) 4449,1900.42 ccw(c4549,1900.42) 4478.29,1829.71 4505.71,1802.29 ccw(c4576.42,1873) 4576.42,1773 4911.58,1773 cw(c4911.58,1673) 4982.29,1743.71 5094.71,1631.29 cw(c5024,1560.58) 5124,1560.58 R7.2
RC_SBUS: *.16 Q1.3 R5.1 | length 1511.8
  Top Layer w10: v1@4855,1830 v1@4865,1830 ; v1(4858,1840) 5109.71,2091.71 ccw(c5039,2162.42) 5139,2162.42 5139,2205 cw(c5239,2205) 5239,2305 *.16
  Bottom Layer w10: v1(4858,1840) 4911.58,1840 cw(c4911.58,1740) 4982.29,1810.71 5114.71,1678.29 cw(c5044,1607.58) 5144,1607.58 5144,1387 ccw(c5175,1387) 5175,1356 5287.68,1356 ccw(c5287.68,1364.84) Q1.3 5296.52,1380.14 cw(c5369.86,1380.14) R5.1
SBUS_OUT: P11.1 R6.1 | length 108.4
  Bottom Layer w10: P11.1 5391,1239 R6.1
SWCLK: *.52 R10.2 | length 271.1
  Top Layer w10: R10.2 4286,3100.42 ccw(c4386,3100.42) 4315.29,3029.71 *.52
SWDIO: *.51 R11.2 | length 264
  Top Layer w10: *.51 4447.71,3012.71 ccw(c4377,3083.42) 4477,3083.42 R11.2
UART0_RX: *.17 P2.2 | length 384.8
  Top Layer w10: P2.2 4812.15,3072.24 ccw(c4907.24,3072.24) *.17
UART0_TX: *.18 P2.1 | length 405.6
  Top Layer w10: P2.1 4910.71,3333.01 cw(c4840,3262.3) 4940,3262.3 *.18
UART1_RX: *.45 P5.2 | length 1575.5
  Top Layer w10: *.45 cw(c3540,2475) 3470,2475 3470,2648 cw(c3570,2648) 3570,2748 3942,2748 ccw(c3942,2848) 4042,2848 4042,3233 ccw(c3971,3233) 3971,3304 cw(c3971,3359.21) 3915.79,3359.21 P5.2@3915.79,3382.36
UART1_TX: *.46 P5.1 | length 1725.9
  Top Layer w10: *.46 ccw(c3540,2357) 3592,2357 3592,2405 ccw(c3540,2405) 3540,2457 cw(c3540,2506) 3491,2506 3491,2626 cw(c3591,2626) 3591,2726 3973,2726 ccw(c3973,2826) 4073,2826 4073,3282.36 ccw(c3973,3282.36) 3973,3382.36 P5.1@3965,3382.36
UART2_RX: *.53 P7.2 | length 1313
  Top Layer w10: P7.2 4563.49,1272.49 cw(c4619,1272.49) 4619,1328 4908,1328 ccw(c4908,1425) 5005,1425 5005,1560 cw(c5101.57,1560) 5033.28,1628.28 5069.71,1664.71 ccw(c4999,1735.42) 5099,1735.42 5099,1783.08 cw(c5199,1783.08) 5128.29,1853.79 5150.21,1875.71 cw(c5220.92,1805) 5220.92,1905 *.53 cw(c5235,1905) *.53@5235,1900
UART2_TX: *.10 P7.1 | length 1480.4
  Top Layer w10: P7.1 4494.35,1091.65 cw(c4494.35,1097) v1(4489,1097) 4489,1251 cw(c4589,1251) 4589,1351 4884,1351 ccw(c4884,1451) 4984,1451 4984,1571.58 cw(c5084,1571.58) 5013.29,1642.29 5049,1678 ccw(c4978.99,1748.01) 5078,1748.01 5078,1797.58 cw(c5178,1797.58) 5107.29,1868.29 v1(5167,1928)
  Bottom Layer w10: v1(5167,1928) 5167,1919.42 ccw(c5267,1919.42) 5196.29,1848.71 *.10
UART3_RX: *.14 P3.2 | length 1537.3
  Top Layer w10: *.14 cw(c5290,2105) 5290,2155 5345,2155 ccw(c5345,2236) 5426,2236 5426,3256 ccw(c5380,3256) 5380,3302 5300,3302 cw(c5300,3343.85) 5258.15,3343.85 P3.2
UART3_TX: *.13 P3.1 | length 1580.4
  Top Layer w10: P3.1 ccw(c5325.72,3382.36) 5325.72,3364 v1(5328,3364)
  Bottom Layer w10: *.13 5240,2008 cw(c5286,2008) 5286,2054 5357,2054 ccw(c5357,2121) 5424,2121 5424,3268 ccw(c5328,3268) v1(5328,3364)
UART7_RX: *.9 P6.2 | length 2812.3
  Top Layer w10: P6.2 cw(c3639.22,3359.15) 3639.22,3360 v1(3709,3360)
  Bottom Layer w10: v1(3709,3360) 3709,3397 cw(c3777,3397) 3777,3465 5216,3465 cw(c5216,3417) 5264,3417 5264,3406.6 ccw(c5359.6,3406.6) 5292,3339 5373.71,3257.29 cw(c5303,3186.58) 5403,3186.58 5403,2509.42 cw(c5303,2509.42) 5373.71,2438.71 *.9
UART7_TX: *.8 P6.1 | length 1656.4
  Top Layer w10: v1(3465,3228) 3465,3308.36 cw(c3565,3308.36) 3565,3408.36 P6.1 P6.1@3638.37,3409
  Bottom Layer w10: v1(3465,3228) 3465,2130 ccw(c3538,2130) 3538,2057 3587,2057 ; 3587,2058 cw(c3587,2005) *.8
ULTRASONIC0_P1: *.28 R21.2 | length 2011.5
  Top Layer w10: v1(3736,1554) 3756.17,1533.83 cw(c3749.34,1527) R21.2 ; v1(4142,1766) 4793.58,1766 ccw(c4793.58,1866) 4864.29,1795.29 5148.71,2079.71 ccw(c5078,2150.42) 5178,2150.42 5178,2208 cw(c5223,2208) 5223,2253 5288,2253 ccw(c5288,2305) *.28
  Bottom Layer w10: v1(3736,1554) 3918.71,1736.71 cw(c3989.42,1666) 3989.42,1766 v1(4142,1766)
ULTRASONIC0_P2: *.29 R20.2 | length 523.8
  Top Layer w10: *.29 3711,1705 cw(c3711,1605) 3811,1605 3811,1391 cw(c3759,1391) R20.2
USB0DM: *.43 R8.2 | length 104.3
  Top Layer w10: *.43 3890.72,3005 cw(c3890.72,2936.72) R8.2
USB0DP: *.44 R9.2 | length 115
  Top Layer w10: *.44 3859.71,2885.29 ccw(c3930.42,2956) 3930.42,2856 R9.2
pads on no net: *.0 *.7 *.15 *.38 *.57 *.58 *.59 *.60 P1.0 P2.0 P3.0 P4.0 P5.0 P6.0 P7.0 P9.0 P10.0 P11.6 P11.8 P11.10 P11.12 P13.0@3526,1594.36 U1.8 U3.7 U4.3 U4.4 U4.5 U4.6 U4.7 U4.8 U4.12 U4.14 U4.15 U5.2 U5.5 USB.0 USB.4 USB.6 USB.7 USB.8 USB.9

## Polygon pours and split planes (outlines as drawn)
GND on Bottom Layer "Top Layer-No Net" (hatched 90Degree grid 20 track 8, pour order 2): 3422,3583 5465,3583 5465,887 5464,886 3422,886
GND on Top Layer "Top Layer-No Net" (hatched 90Degree grid 20 track 8, pour order 4): 3422,3583 5465,3583 5465,886 3422,886

## Keep-outs
Keep-Out Layer:
  lines w8: 3422,886 3422,3583 5465,3583 5465,3555 5465,886 5464,886 3422,886

## Other copper
Top Layer:
  rectangle net GND: 4597,1039 4629,1092
  rectangle net GND: 4154,995 4186,1124
  rectangle net GND: 3917,1388 4036,1424
  rectangle net GND: 3662,1015 3694,1123
  rectangle net GND: 3538,1372 3668,1404
  rectangle net GND: 5067,1931 5142,1974
  rectangle net GND: 5168,2801 5272,2833
  rectangle net GND: 3731,3273 3820,3315
  rectangle net 3.3V_1: 5250,3046 5359,3080
  rectangle net 3.3V_1: 3678,2663 3757,2707
  rectangle net 5V: 3836,3253 3929,3294
  rectangle net 5V: 4649,1086 4686,1285
  rectangle net 5V: 4684,3200 4716,3414
  rectangle net 5V: 5116,3230 5158,3416
  rectangle net 5V: 3637,3172 3929,3253
  rectangle net 5V: 4249,1205 4287,1503
  rectangle net 3.3V_1: 4578,1499 4942,1562
  rectangle net 3.3V_1: 4542,1499 4607,1620
  rectangle net 5V: 4116,1491 4421,1553
  rectangle net 5V: 3568,2995 3729,3023
  rectangle net GND: 3569,2884 3771,2909
Bottom Layer:
  rectangle net GND: 4598,1039 4627,1089
  rectangle net GND: 4153,995 4187,1058
  rectangle net GND: 3917,1389 3984,1424
  rectangle net GND: 3661,1015 3694,1081
  rectangle net GND: 3539,1372 3645,1404
  rectangle net GND: 4469,1687 4593,1718
  rectangle net GND: 5067,1932 5141,1974
  rectangle net GND: 5168,2802 5273,2834
  rectangle net GND: 3732,3273 3820,3313
  rectangle net 3.3V_1: 5248,3047 5358,3080
  rectangle net 3.3V_1: 3678,2649 3756,2692
  rectangle net 3.3V_1: 4553,1494 4953,1571
  rectangle net 5V: 3570,2976 3729,3023
  rectangle net GND: 3569,2884 3771,2909